# Altium PCB pcb.PcbDoc (part 1 of 2)
Units mm, origin at the board's own origin, x right, y up, seen from the top; angles counter-clockwise.
Board outline 110 x 25 mm, 4 copper layers (Top Layer, Mid-Layer 1, Mid-Layer 2, Bottom Layer); 133 components, 112 nets, 571 pads, 224 vias.
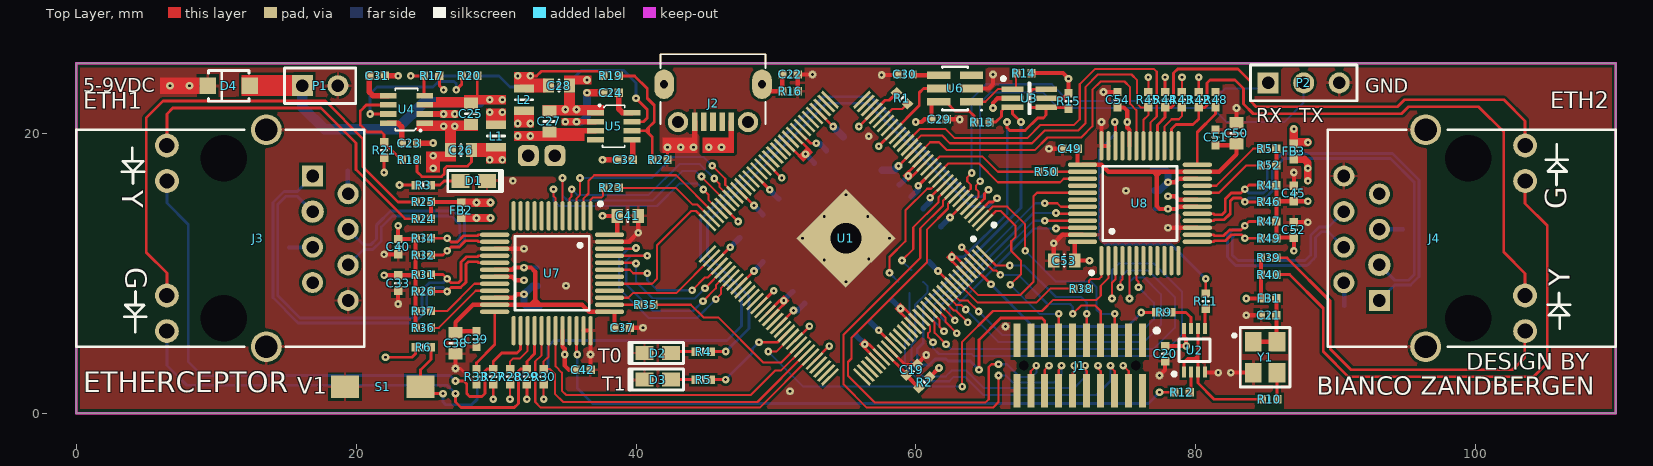
[diagram p0: Top Layer view]
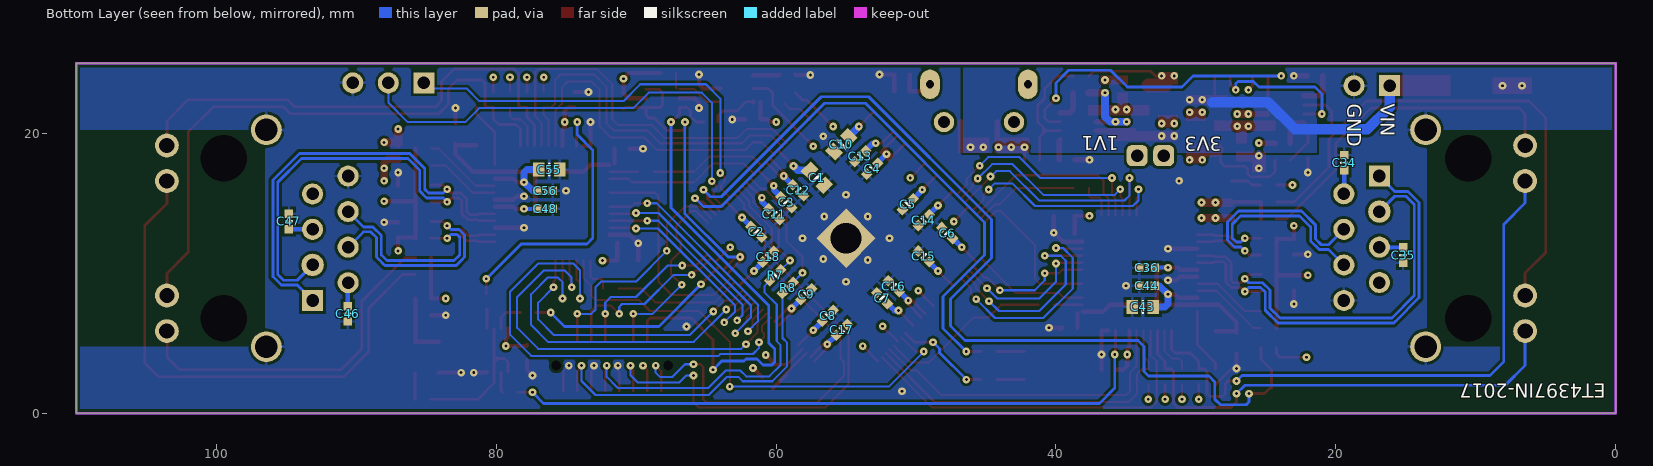
[diagram p1: Bottom Layer view, seen from below]
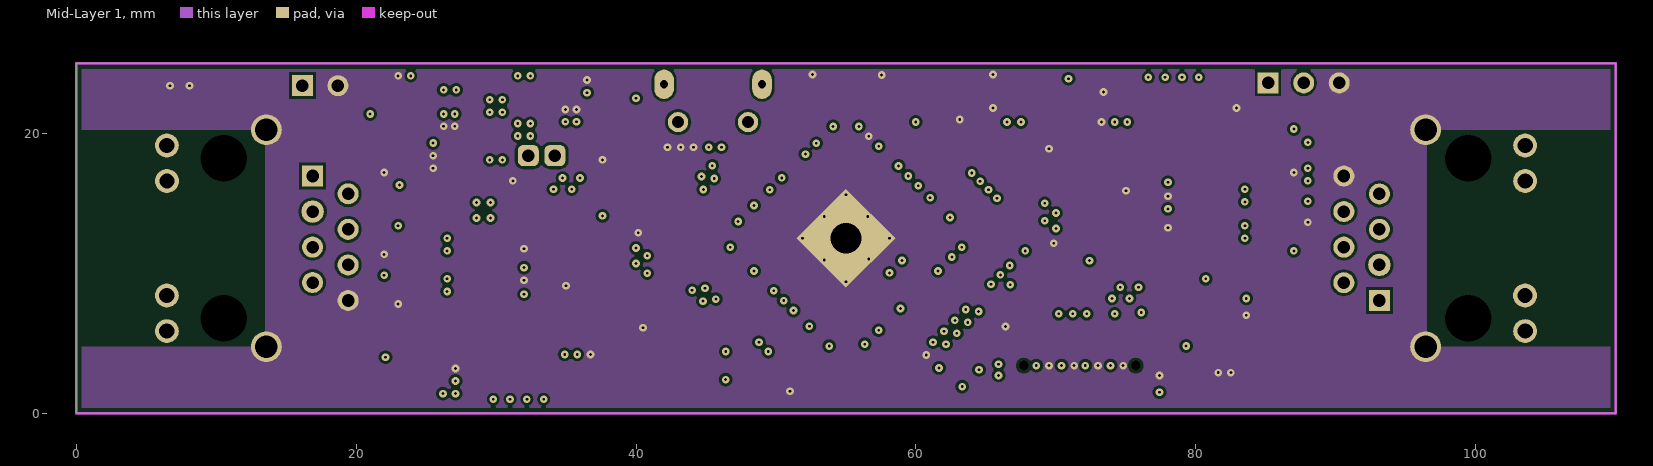
[diagram p2: Mid-Layer 1]
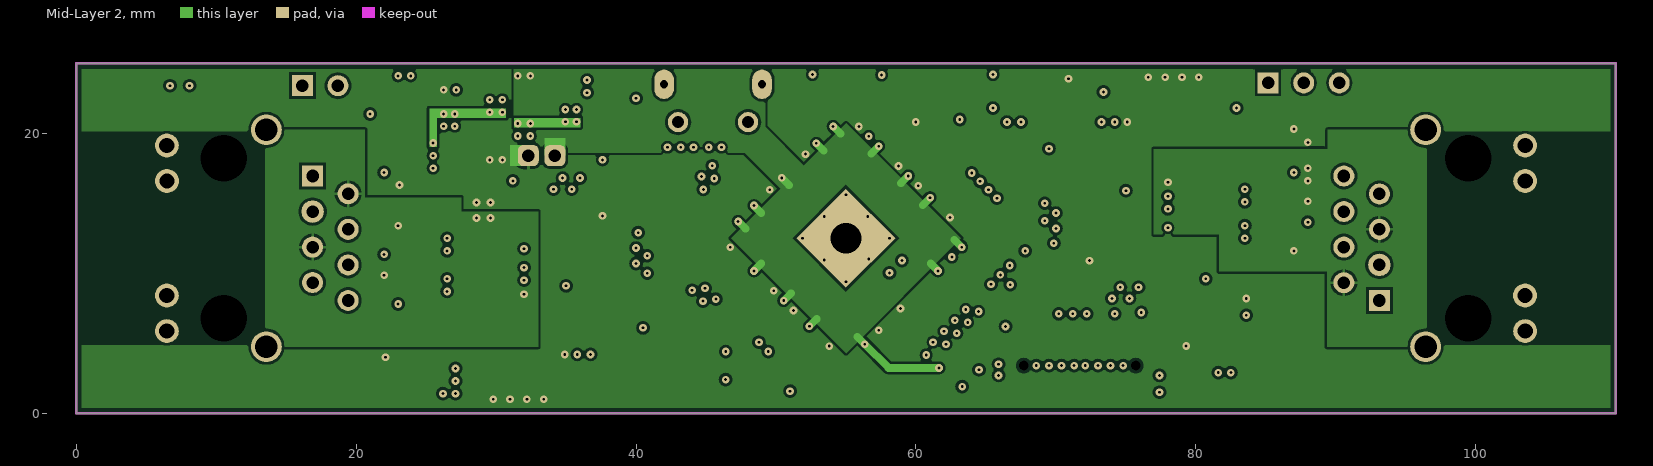
[diagram p3: Mid-Layer 2]
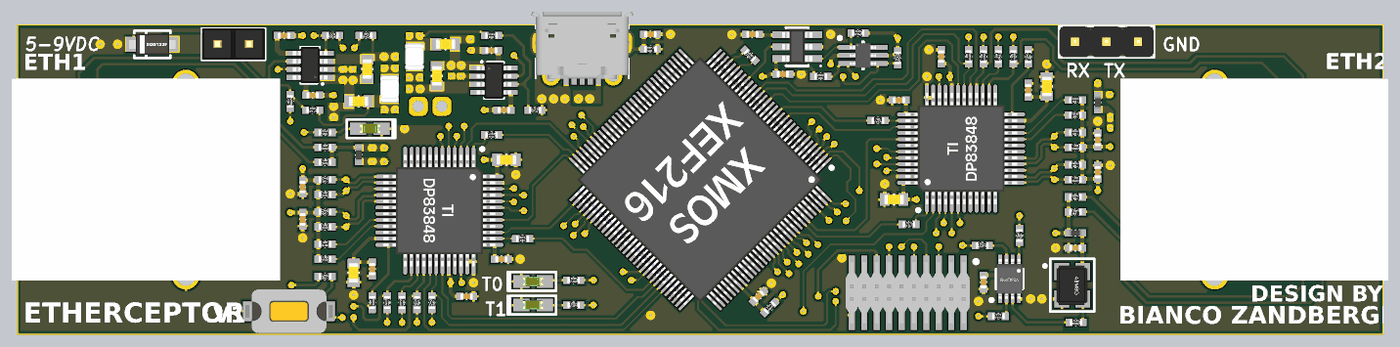
[diagram p5: 3D render of the assembled board from above, using the file's embedded part models]
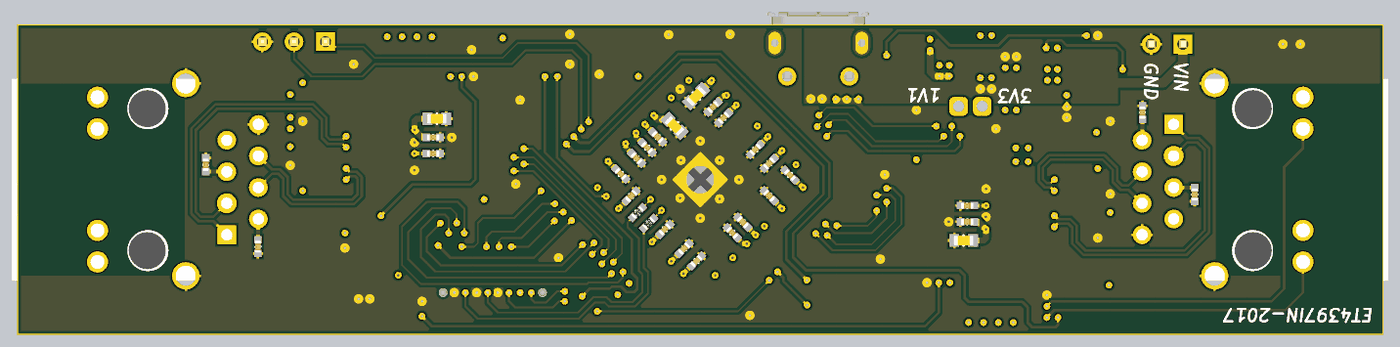
[diagram p6: 3D render of the assembled board from below, using the file's embedded part models]

## Layer stack, top to bottom
Top Solder: solder mask 0.0102, Solder Resist, Dk 3.5
Top Layer: signal copper 0.0356
Dielectric 1: dielectric 0.32, FR-4, Dk 4.8
Mid-Layer 1: signal copper 0.0356
Dielectric2: dielectric 0.32, FR-4, Dk 4.8
Mid-Layer 2: signal copper 0.0356
Dielectric3: dielectric 0.32, FR-4, Dk 4.8
Bottom Layer: signal copper 0.0356
Bottom Solder: solder mask 0.0102, Solder Resist, Dk 3.5

## Board outline
0,0 110,0 110,25 0,25

## Design rules (kind name [scope] priority, off if disabled: settings)
BoardOutlineClearance BoardOutlineClearance_Inner [OnLayer('Mid-Layer 1') or OnLayer('Mid-Layer 2')] p1: gap=0.4
BoardOutlineClearance [All] p2: gap=0.3
Clearance [All] p1: gap=0.15 except(0.2: Arc-Poly Track-Poly SMDPad-Poly THPad-Poly Via-Poly Fill-Poly Poly-Poly)
ComponentClearance [All] p1 off: gap=0.254 collisioncheckmode=3 verticalgap=0.254 showdistances=FALSE
DiffPairsRouting [All] p1: maxlimit=0.2 minlimit=0.15 mostfreqgap=0.15 toplayer_minwidth=0.15 toplayer_maxwidth=0.2 toplayer_prefwidth=0.2 midlayer1_minwidth=0.15 midlayer1_maxwidth=0.2 midlayer1_prefwidth=0.2 midlayer2_minwidth=0.15 midlayer2_maxwidth=0.2 midlayer2_prefwidth=0.2 bottomlayer_minwidth=0.15 bottomlayer_maxwidth=0.2 bottomlayer_prefwidth=0.2 maxuncoupledlength=12.7
HoleSize [All] p1: absolutevalues=TRUE maxlimit=5 minlimit=0.15 maxpercent=80.000 minpercent=20.000
MinimumAnnularRing [All] p1: minimumring=0.125
MinimumSolderMaskSliver [All] p1: minsoldermaskwidth=0.08
PolygonConnect PolygonConnect_XMOS_Pad [IsPolygon vs (ObjectKind = 'Pad') And (Name = 'U1-129')] p1: connectstyle=Direct reliefconductorwidth=0.2 reliefentries=4 polygonreliefangle="90 Angle" airgapwidth=0.2
PolygonConnect PolygonConnect_Mid1 [IsNamedPolygon('Mid1-GND')] p2: connectstyle=Direct reliefconductorwidth=0.2 reliefentries=4 polygonreliefangle="90 Angle" airgapwidth=0.2
PolygonConnect PolygonConnect_Bot_XMOS [IsNamedPolygon('Bottom-XMOS')] p3: connectstyle=Direct reliefconductorwidth=0.2 reliefentries=4 polygonreliefangle="90 Angle" airgapwidth=0.2
PolygonConnect PolygonConnect_Top_XMOS_1 [IsNamedPolygon('Top-XMOS')] p4: connectstyle=Direct reliefconductorwidth=0.2 reliefentries=4 polygonreliefangle="90 Angle" airgapwidth=0.2
PolygonConnect PolygonConnect_Via [IsVia] p5: connectstyle=Direct reliefconductorwidth=0.2 reliefentries=4 polygonreliefangle="90 Angle" airgapwidth=0.2
PolygonConnect [All] p6: connectstyle=Relief reliefconductorwidth=0.2 reliefentries=4 polygonreliefangle="90 Angle" airgapwidth=0.2
RoutingVias [All] p1: holewidth=0.25 width=0.55 viastyle="Through Hole" minholewidth=0.15 minwidth=0.55 maxholewidth=0.5 maxwidth=1
SilkToSolderMaskClearance [IsPad] p1: minsilkscreentomaskgap=0.1 clearancetoexposedcopper=FALSE
SolderMaskExpansion [All] p1: expansion=0.102
Width [All] p1: maxlimit=5 minlimit=0.15 preferedwidth=0.2
25 further rules are at their usual default settings.

## Classes and differential pairs
component class U_4: C45 C46 C47 C48 C49 C50 C51 C52 C53 C54 C55 C56 FB3 J4 R38 R39 R40 R41 R42 R43 R44 R45 R46 R47 R48 R49 R50 R51 R52 U8
component class U_3: C33 C34 C35 C36 C37 C38 C39 C40 C41 C42 C43 C44 FB2 J3 R23 R24 R25 R26 R27 R28 R29 R30 R31 R32 R33 R34 R35 R36 R37 U7
component class U_2: C1 C2 C3 C4 C5 C6 C7 C8 C9 C10 C11 C12 C13 C14 C15 C16 C17 C18 C19 C20 C21 C22 C23 C24 C25 C26 C27 C28 C29 C30 C31 C32 D1 D2 D3 D4 FB1 J1 J2 L1 L2 P1 P2 R1 R2 R3 R4 R5 R6 R7 R8 R9 R10 R11 R12 R13 R14 R15 R16 R17 R18 R19 R20 R21 R22 S1 U1 U2 U3 U4 U5 U6 Y1
differential pair ETH2_TD: +ETH2_TD_P -ETH2_TD_N
differential pair ETH2_RD: +ETH2_RD_P -ETH2_RD_N
differential pair ETH1_TD: +ETH1_TD_P -ETH1_TD_N
differential pair ETH1_RD: +ETH1_RD_P -ETH1_RD_N

## Components (designator, comment, footprint, x,y, rotation, side; value= is the part's Value field where it differs from the comment)
C1 "Pin 19" 1608[0603]_CAP2 57.075,16.825 r45 bottom
C2 "Pin 6" 1005[0402]_CAP2 61.4,12.95 r45 bottom
C3 "Pin 14" 1005[0402]_CAP2 59.275,15.075 r45 bottom
C4 "Pin 42" 1005[0402]_CAP2 53.125,17.475 r135 bottom
C5 "Pin 52" 1005[0402]_CAP2 50.575,14.925 r135 bottom
C6 "Pin 67" 1005[0402]_CAP2 47.775,12.875 r225 bottom
C7 "Pin 83" 1005[0402]_CAP2 52.425,8.225 r225 bottom
C8 "Pin 105" 1005[0402]_CAP2 56.3,6.95 r315 bottom
C9 "Pin 110" 1005[0402]_CAP2 57.85,8.5 r315 bottom
C10 "Pin 36" 1608[0603]_CAP2 55.325,19.225 r135 bottom
C11 "Pin 11" 1005[0402]_CAP2 60.125,14.225 r45 bottom
C12 "Pin 16" 1005[0402]_CAP2 58.425,15.925 r45 bottom
C13 "Pin 41" 1005[0402]_CAP2 53.975,18.35 r135 bottom
C14 "Pin 56" 1005[0402]_CAP2 49.45,13.8 r135 bottom
C15 "Pin 73" 1005[0402]_CAP2 49.45,11.2 r225 bottom
C16 "Pin 80" 1005[0402]_CAP2 51.575,9.075 r225 bottom
C17 "Pin 101" 1005[0402]_CAP2 55.3,5.95 r315 bottom
C18 "Pin 120" 1005[0402]_CAP2 60.561,11.189 r315 bottom
C19 "Cap" 1005[0402]_CAP2 59.7,3.1 r225 top
C20 "Cap" 1005[0402]_CAP2 77.8,4.25 r90 top
C21 "Cap" 1005[0402]_CAP2 85.2,7 r0 top
C22 "Cap" 1005[0402]_CAP2 51,24.2 r180 top
C23 "Cap" 1005[0402]_CAP2 23.8,19.3 r0 top
C24 "Cap" 1005[0402]_CAP2 38.2,22.9 r180 top
C25 "Cap" 1608[0603]_CAP2 28.2,21.4 r90 top
C26 "Cap" 1608[0603]_CAP2 27.5,18.8 r0 top
C27 "Cap" 1608[0603]_CAP2 33.8,20.85 r270 top
C28 "Cap" 1608[0603]_CAP2 34.5,23.4 r180 top
C29 "Cap" 1005[0402]_CAP2 61.65,21 r180 top
C30 "Cap" 1005[0402]_CAP2 59.2,24.2 r0 top
C31 "Cap" 1005[0402]_CAP2 21.5,24.1 r180 top
C32 "Cap" 1005[0402]_CAP2 39.2,18.1 r0 top
C33 "Cap" 1005[0402]_CAP2 23,9.3 r90 top
C34 "Cap" 1005[0402]_CAP2 19.4,17.9 r270 bottom
C35 "Cap" 1005[0402]_CAP2 15.2,11.3 r90 bottom
C36 "Cap" 1005[0402]_CAP2 33.5,10.4 r180 bottom
C37 "Cap" 1005[0402]_CAP2 39,6.1 r180 top
C38 "Cap" 1608[0603]_CAP2 27.1,5 r90 top
C39 "Cap" 1005[0402]_CAP2 28.6,5.3 r90 top
C40 "Cap" 1005[0402]_CAP2 23,11.9 r90 top
C41 "Cap" 1608[0603]_CAP2 39.4,14.1 r180 top
C42 "Cap" 1005[0402]_CAP2 36.2,3.1 r180 top
C43 "Cap" 1608[0603]_CAP2 33.8,7.6 r180 bottom
C44 "Cap" 1005[0402]_CAP2 33.5,9.1 r180 bottom
C45 "Cap" 1005[0402]_CAP2 87,15.7 r270 top
C46 "Cap" 1005[0402]_CAP2 90.6,7.1 r90 bottom
C47 "Cap" 1005[0402]_CAP2 94.8,13.7 r270 bottom
C48 "Cap" 1005[0402]_CAP2 76.5,14.6 r0 bottom
C49 "Cap" 1005[0402]_CAP2 71,18.9 r0 top
C50 "Cap" 1608[0603]_CAP2 82.9,20 r270 top
C51 "Cap" 1005[0402]_CAP2 81.4,19.7 r270 top
C52 "Cap" 1005[0402]_CAP2 87,13.1 r270 top
C53 "Cap" 1608[0603]_CAP2 70.6,10.9 r0 top
C54 "Cap" 1005[0402]_CAP2 74.4,22.4 r270 top
C55 "Cap" 1608[0603]_CAP2 76.2,17.4 r0 bottom
C56 "Cap" 1005[0402]_CAP2 76.5,15.9 r0 bottom
D1 "LED3" 1608[0603]_LED 28.4,16.6 r0 top
D2 "LED3" 1608[0603]_LED 41.55,4.3 r180 top
D3 "LED3" 1608[0603]_LED 41.55,2.4 r180 top
D4 "Zener Diode" SOD123F 10.9,23.4 r180 top
FB1 "Ferrite Bead" 1005[0402]_FB2 85.2,8.2 r0 top
FB2 "Ferrite Bead" 1005[0402]_FB2 27.5,14.5 r270 top
FB3 "Ferrite Bead" 1005[0402]_FB2 87,18.7 r270 top
J1 "XSYS Con 1MM" M40-3201045R 71.7,3.4 r180 top
J2 "Micro-USB B Receptacle" MOLEX_105017-0001 45.5,23.5 r180 top locked
J3 "Steward con RJ45 with magnetics" "Steward Con RJ45" 0,12.5 r270 top locked
J4 "Steward con RJ45 with magnetics" "Steward Con RJ45" 110,12.5 r90 top locked
L1 "Inductor" 2012[0805]_IND 30,19.8 r270 top
L2 "Inductor" 2012[0805]_IND 32,22.4 r90 top
P1 "Header 2" HDR1X2 16.16,23.4 r0 top
P2 "Header 3" HDR1X3 85.16,23.6 r0 top
R1 "Res" 1005[0402]_RES2 59,22.5 r135 top
R2 "Res" 1005[0402]_RES2 60.6,2.2 r45 top
R3 "Res" 1005[0402]_RES2 24.8,16.3 r180 top
R4 "Res" 1005[0402]_RES2 44.8,4.4 r0 top
R5 "Res" 1005[0402]_RES2 44.8,2.4 r0 top
R6 "Res" 1005[0402]_RES2 24.8,4.7 r180 top
R7 "Res" 1005[0402]_RES2 60.05,9.85 r135 bottom
R8 "Res" 1005[0402]_RES2 59.15,8.975 r135 bottom
R9 "Res" 1005[0402]_RES2 77.7,7.2 r0 top
R10 "Res" 1005[0402]_RES2 85.25,1 r0 top
R11 "Res" 1005[0402]_RES2 80.7,8 r270 top
R12 "Res" 1005[0402]_RES2 79,1.5 r0 top
R13 "Res" 1005[0402]_RES2 64.7,20.8 r180 top
R14 "Res" 1005[0402]_RES2 67.7,24.3 r0 top
R15 "Res" 1005[0402]_RES2 70.9,22.3 r90 top
R16 "Res" 1005[0402]_RES2 51,23 r180 top
R17 "Res" 1005[0402]_RES2 25.4,24.1 r0 top
R18 "Res" 1005[0402]_RES2 23.8,18.1 r0 top
R19 "Res" 1005[0402]_RES2 38.2,24.1 r180 top
R20 "Res" 1005[0402]_RES2 28.1,24.1 r0 top
R21 "Res" 1005[0402]_RES2 22,18.8 r90 top
R22 "Res" 1005[0402]_RES2 41.7,18.1 r180 top
R23 "Res" 1005[0402]_RES2 38.2,16.1 r180 top
R24 "Res" 1005[0402]_RES2 24.8,13.9 r0 top
R25 "Res" 1005[0402]_RES2 24.8,15.1 r0 top
R26 "Res" 1005[0402]_RES2 24.8,8.7 r0 top
R27 "Res" 1005[0402]_RES2 29.8,2.6 r270 top
R28 "Res" 1005[0402]_RES2 31,2.6 r270 top
R29 "Res" 1005[0402]_RES2 32.2,2.6 r270 top
R30 "Res" 1005[0402]_RES2 33.4,2.6 r270 top
R31 "Res" 1005[0402]_RES2 24.8,9.9 r180 top
R32 "Res" 1005[0402]_RES2 24.8,11.3 r0 top
R33 "Res" 1005[0402]_RES2 28.6,2.6 r90 top
R34 "Res" 1005[0402]_RES2 24.8,12.5 r180 top
R35 "Res" 1005[0402]_RES2 40.7,7.75 r180 top
R36 "Res" 1005[0402]_RES2 24.8,6.1 r0 top
R37 "Res" 1005[0402]_RES2 24.8,7.3 r0 top
R38 "Res" 1005[0402]_RES2 71.8,8.9 r0 top
R39 "Res" 1005[0402]_RES2 85.2,11.1 r180 top
R40 "Res" 1005[0402]_RES2 85.2,9.9 r180 top
R41 "Res" 1005[0402]_RES2 85.2,16.3 r180 top
R42 "Res" 1005[0402]_RES2 80.2,22.4 r90 top
R43 "Res" 1005[0402]_RES2 79,22.4 r90 top
R44 "Res" 1005[0402]_RES2 77.8,22.4 r90 top
R45 "Res" 1005[0402]_RES2 76.6,22.4 r90 top
R46 "Res" 1005[0402]_RES2 85.2,15.1 r0 top
R47 "Res" 1005[0402]_RES2 85.2,13.7 r180 top
R48 "Res" 1005[0402]_RES2 81.4,22.4 r270 top
R49 "Res" 1005[0402]_RES2 85.2,12.5 r0 top
R50 "Res" 1005[0402]_RES2 69.3,17.25 r0 top
R51 "Res" 1005[0402]_RES2 85.2,18.9 r180 top
R52 "Res" 1005[0402]_RES2 85.2,17.7 r180 top
S1 "SW-PB" TACTILE_SW_6035_1 21.9,1.9 r180 top
U1 "XEF216-512-TQ128" XMOS_LQFP_128_XEF216_512 55,12.5 r225 top locked
U2 "NC7NZ34" US8 79.9,4.5 r90 top
U3 "NC7WZ07" SOT363-6M_SC70 68.1,22.5 r0 top
U4 "TPS562210" SOT-23-8 23.6,21.7 r90 top
U5 "TPS562210" SOT-23-8 38.4,20.5 r270 top
U6 "TPS3808G09" SOT23-6 62.8,23.2 r90 top
U7 "DP83848CVV" TSQFP50P900X900-48M 34,10 r270 top locked
U8 "DP83848CVV" TSQFP50P900X900-48M 76,15 r90 top locked
Y1 "25 MHz Oscillator" OSC_32_25 84.95,4 r270 top

## Footprints (in the part's own frame and the unit in brackets; to place one, negate y for a bottom-side part, rotate by r counter-clockwise, add the part's x,y. Pads: shape width x height; smd on the part's side, far side on the other; paste and mask are expansions set on the pad)
1005[0402]_CAP2 [mm] "Chip Capacitor, Body 1.0x0.5mm, IPC Medium Density"
  rect 0.6x0.6 smd: 1(-0.55,0) 2(0.55,0)
  silkscreen extent 0,-0.2 0,0.2, body extent -0.5,-0.25 0.5,0.25, height 0.5
1005[0402]_FB2 [mm] "Chip Ferrite Bead, Body 1.0x0.5mm, IPC Medium Density"
  rect 0.6x0.6 smd: 1(-0.55,0) 2(0.55,0)
  silkscreen extent 0,-0.2 0,0.2, body extent -0.5,-0.25 0.5,0.25, height 0.51
1005[0402]_RES2 [mm] "Chip Capacitor, Body 1.0x0.5mm, IPC Medium Density"
  rect 0.6x0.6 smd: 1(-0.55,0) 2(0.55,0)
  silkscreen extent 0,-0.2 0,0.2, body extent -0.5,-0.25 0.5,0.25, height 0.35
1608[0603]_CAP2 [mm] "Chip Capacitor, Body 1.6x0.8mm, IPC Medium Density"
  rect 0.8x1 smd: 1(-0.75,0) 2(0.75,0)
  silkscreen extent 0,-0.4 0,0.4, body extent -0.8,-0.4 0.8,0.4, height 0.86
1608[0603]_LED [mm] "LED; Body 1.6 x 0.8 mm (LxW typ) Handsoldering optimized"
  rect 1.3x1 smd: 1(-0.95,0) 2(0.95,0)
  silkscreen extent -1.85,-0.75 2.05,0.75, body extent -0.79,-0.4 0.83,0.4, height 0.6
2012[0805]_IND [mm]
  rect 0.6x1.45 smd: 1(-0.8,0) 2(0.8,0)
  silkscreen extent 0,-0.63 0,0.63, body extent -1.05,-0.75 1.05,0.75, height 1.8
HDR1X2 [mm] "Connector; Header; 2 Position"
  rect 1.5x1.5 hole 0.9: 1(0,0)
  round 1.5 hole 0.9: 2(2.54,0)
  silkscreen extent -1.27,-1.27 3.81,1.27, body extent -1.29,-1.25 3.79,1.29, height 8.54
HDR1X3 [mm] "Connector; Header; 4 Position"
  rect 1.5x1.5 hole 0.9: 1(0,0)
  round 1.5 hole 0.9: 2(2.54,0) 3(5.08,0)
  silkscreen extent -1.27,-1.27 6.36,1.27, body extent -1.27,-1.24 6.35,1.25, height 8.54
M40-3201045R [mm] "1mm SMD header male 2x10 positions"
  rect 0.5x2.4 smd: 1(-4.5,-1.8) 2(-4.5,1.8) 3(-3.5,-1.8) 4(-3.5,1.8) 5(-2.5,-1.8) 6(-2.5,1.8) 7(-1.5,-1.8) 8(-1.5,1.8) 9(-0.5,-1.8) 10(-0.5,1.8) 11(0.5,-1.8) 12(0.5,1.8) 13(1.5,-1.8) 14(1.5,1.8) 15(2.5,-1.8) 16(2.5,1.8) 17(3.5,-1.8) 18(3.5,1.8) 19(4.5,-1.8) 20(4.5,1.8)
  round 0.4 hole 0.7 unplated: MH1(-4,0) MH1(4,0)
  silkscreen extent -5.64,-2.64 -5.36,-2.36, body extent -5,-2.6 5,2.6, height 3.8
MOLEX_105017-0001 [mm]
  rect 0.4x1.35 smd paste-25.4 mask-25.4: 1(-1.3,2.675) 2(-0.65,2.675) 3(0,2.675) 4(0.65,2.675) 5(1.3,2.675)
  round 1.45 hole 0.85 mask-25.4: M1(-2.5,2.7) M2(2.5,2.7)
  oval 1.4x2.1 hole 0.6 mask-25.4: M3(-3.5,0) M4(3.5,0)
  silkscreen extent -3.75,-2.15 3.75,2.85, body extent -4.1,-2.52 4.1,2.88, height 2.68
OSC_32_25 [mm] "Oscillator, 3,2mm x 2,5mm"
  rect 1.4x1.2 smd: 1(-1.1,-0.85) 2(1.1,-0.85) 3(1.1,0.85) 4(-1.1,0.85)
  silkscreen extent -2.12,-2.3 2.12,1.78, body extent -1.6,-1.27 1.6,1.23, height 1.01
SOD123F [mm] "SOD-123F"
  rect 1.2x1.2 smd: 1(1.5,0) 2(-1.5,0)
  silkscreen extent -1.45,-1.09 1.45,1.11, body extent -1.87,-0.84 1.89,0.86, height 1.2
SOT23-6 [mm] "SOT-23/SC-74A; 6 Leads; Body 3 x 3 mm, inc. leads (LxW max)"
  rect 0.55x1.65 smd: 1(-0.95,-1.175) 2(0,-1.175) 3(0.95,-1.175) 4(0.95,1.175) 5(0,1.175) 6(-0.95,1.175)
  silkscreen extent -1.6,-1.94 1.55,0.9, body extent -1.4,-1.21 1.39,1.21, height 1.09
SOT363-6M_SC70 [mm]
  rect 1.55x0.4 smd: 1(-1.2,0.65) 2(-1.2,0) 3(-1.2,-0.65) 4(1.2,-0.65) 5(1.2,0) 6(1.2,0.65)
  silkscreen extent -1.98,-1.1 0.05,1.52, body extent -1.05,-1 1.05,1, height 0.92
SOT-23-8 [mm]
  rect 0.4x1.2 smd paste-25.4 mask-25.4: 1(-0.975,-1.3) 2(-0.325,-1.3) 3(0.325,-1.3) 4(0.975,-1.3) 5(0.975,1.3) 6(0.325,1.3) 7(-0.325,1.3) 8(-0.975,1.3)
  silkscreen extent -1.57,-1.07 1.5,0.8, body extent -1.44,-1.4 1.5,1.4, height 1.2
"Steward Con RJ45" [mm] "Connector; PCB Jack, Thru-Hole; 1-Port; Unshielded without Lightpipes; Right Angle"
  rect 1.5x1.5 hole 0.9: 1(-4.445,16.89)
  round 1.5 hole 0.9: 2(-3.175,19.43) 4(-0.635,19.43) 5(0.635,16.89) 6(1.905,19.43) 7(3.168,16.889) 8(4.445,19.43)
  round 1.6 hole 0.9: 3(-1.905,16.89)
  round 2.2 hole 1.6: 9(-7.745,13.59) 10(7.745,13.59)
  round 1.7 hole 1.1: 11(-6.63,6.48) 12(-4.09,6.484) 13(4.09,6.48) 14(6.63,6.48)